# Altium PCB STM32_F407.PcbDoc (part 1 of 2)
Units mil, origin at the board's own origin, x right, y up, seen from the top; angles counter-clockwise.
Board outline 2935.42 x 3745.42 mil, 2 copper layers (TopLayer, BottomLayer); 75 components, 133 nets, 531 pads, 175 vias.
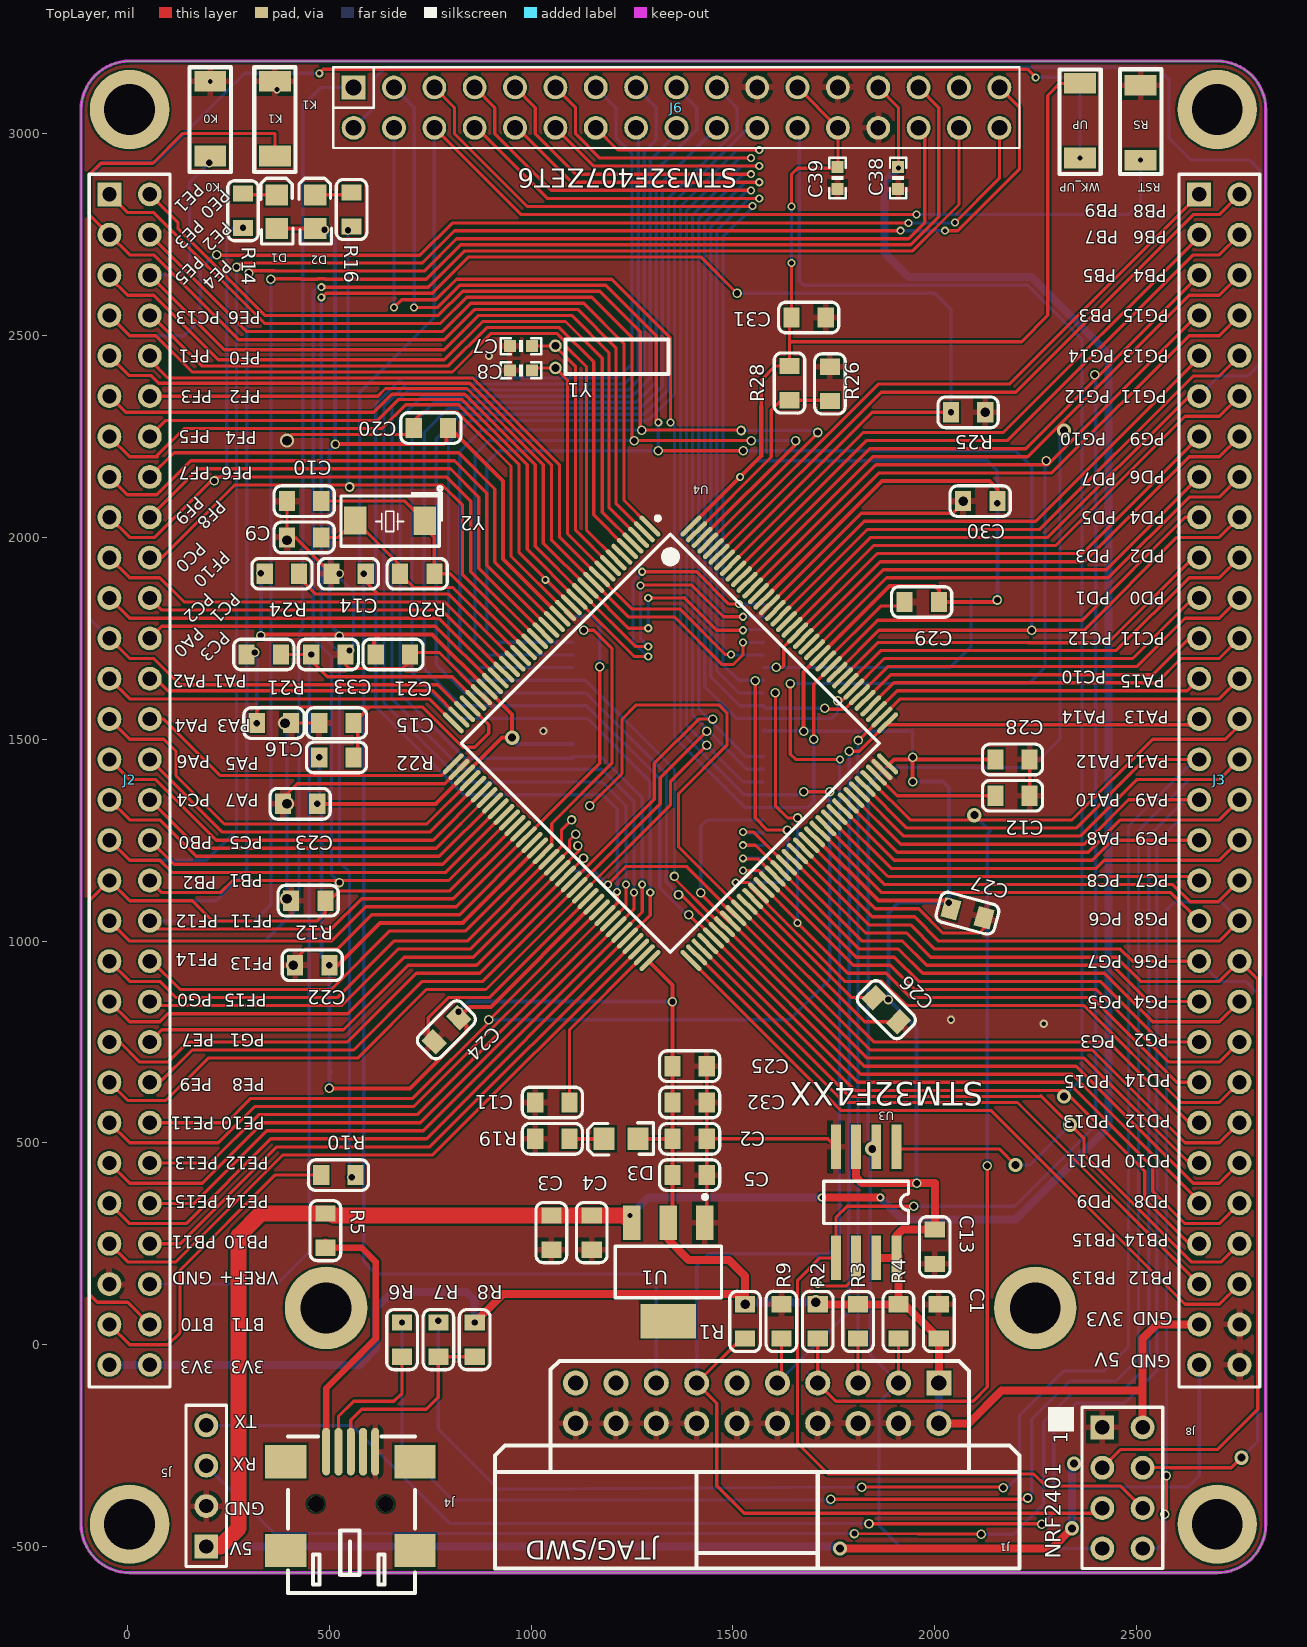
[diagram p0: TopLayer view]
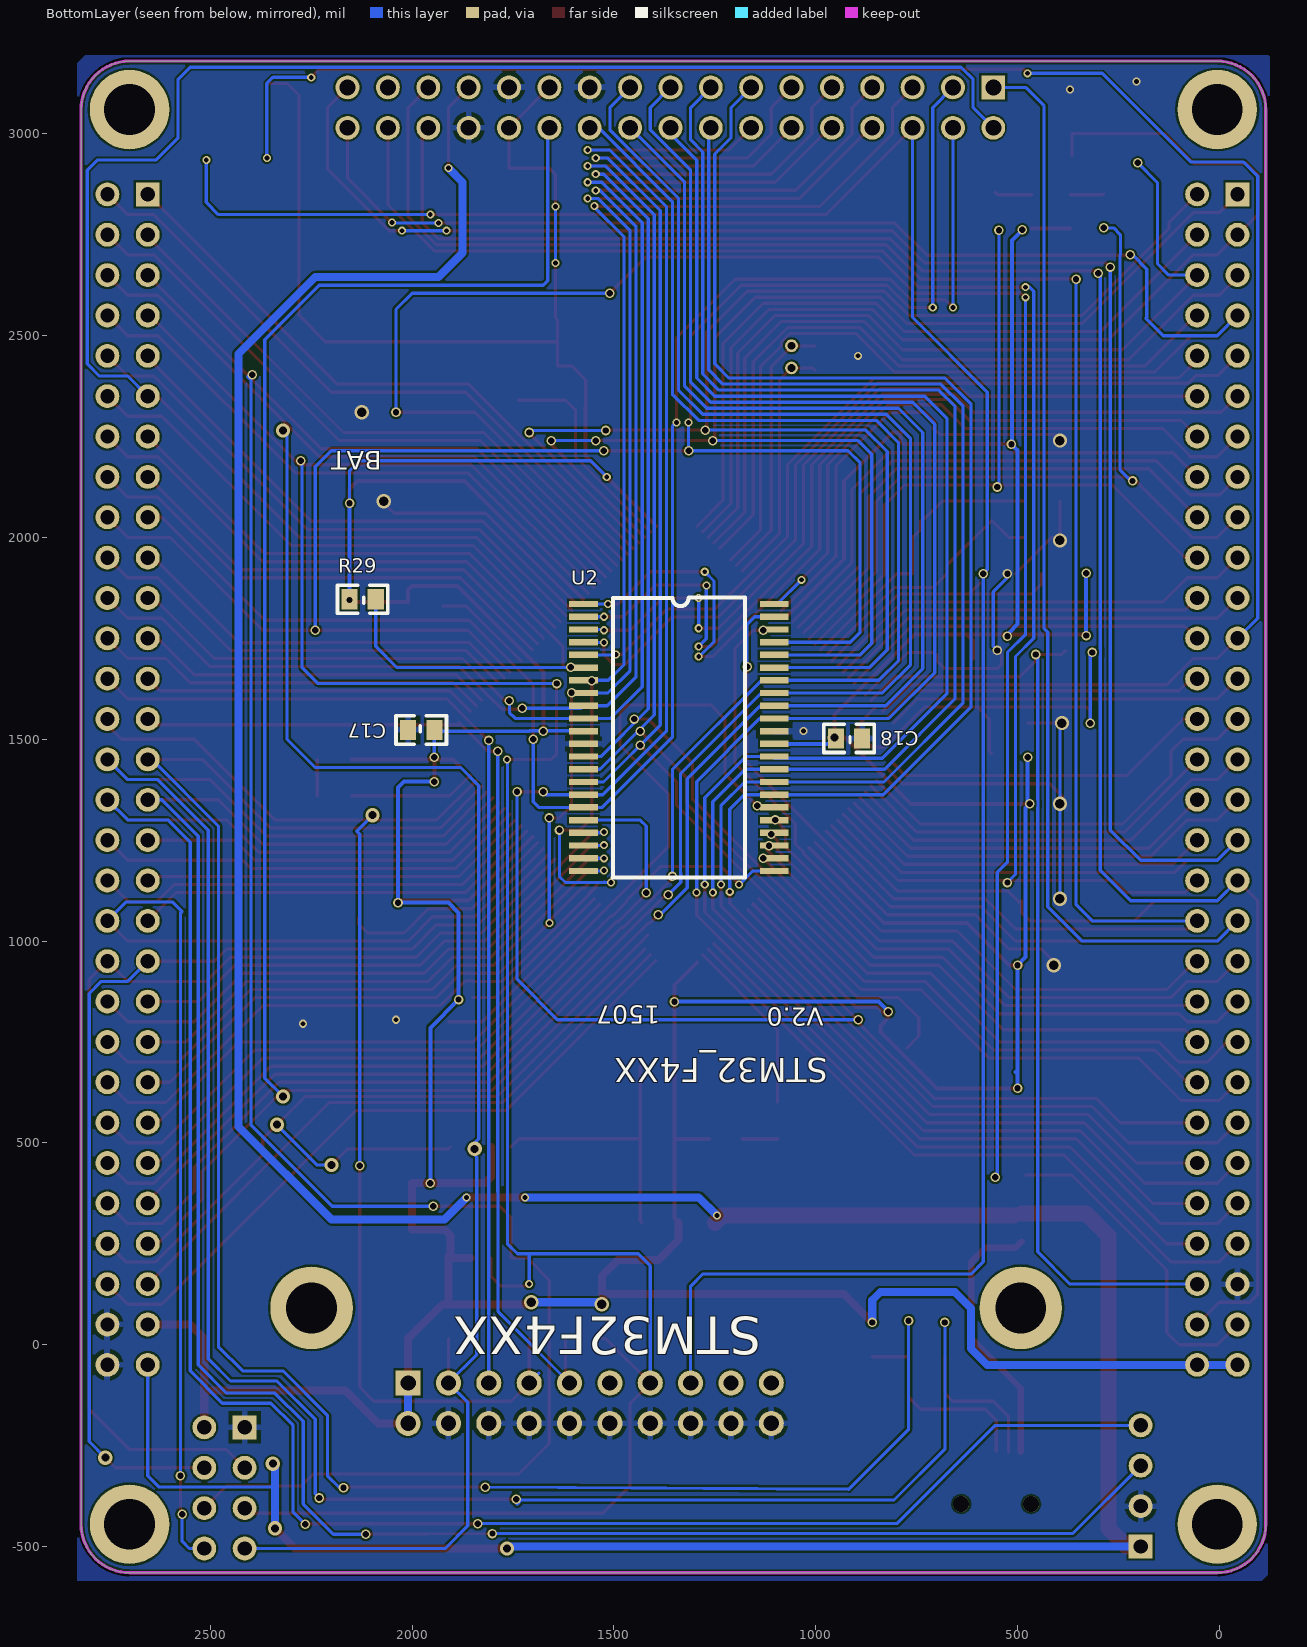
[diagram p1: BottomLayer view, seen from below]
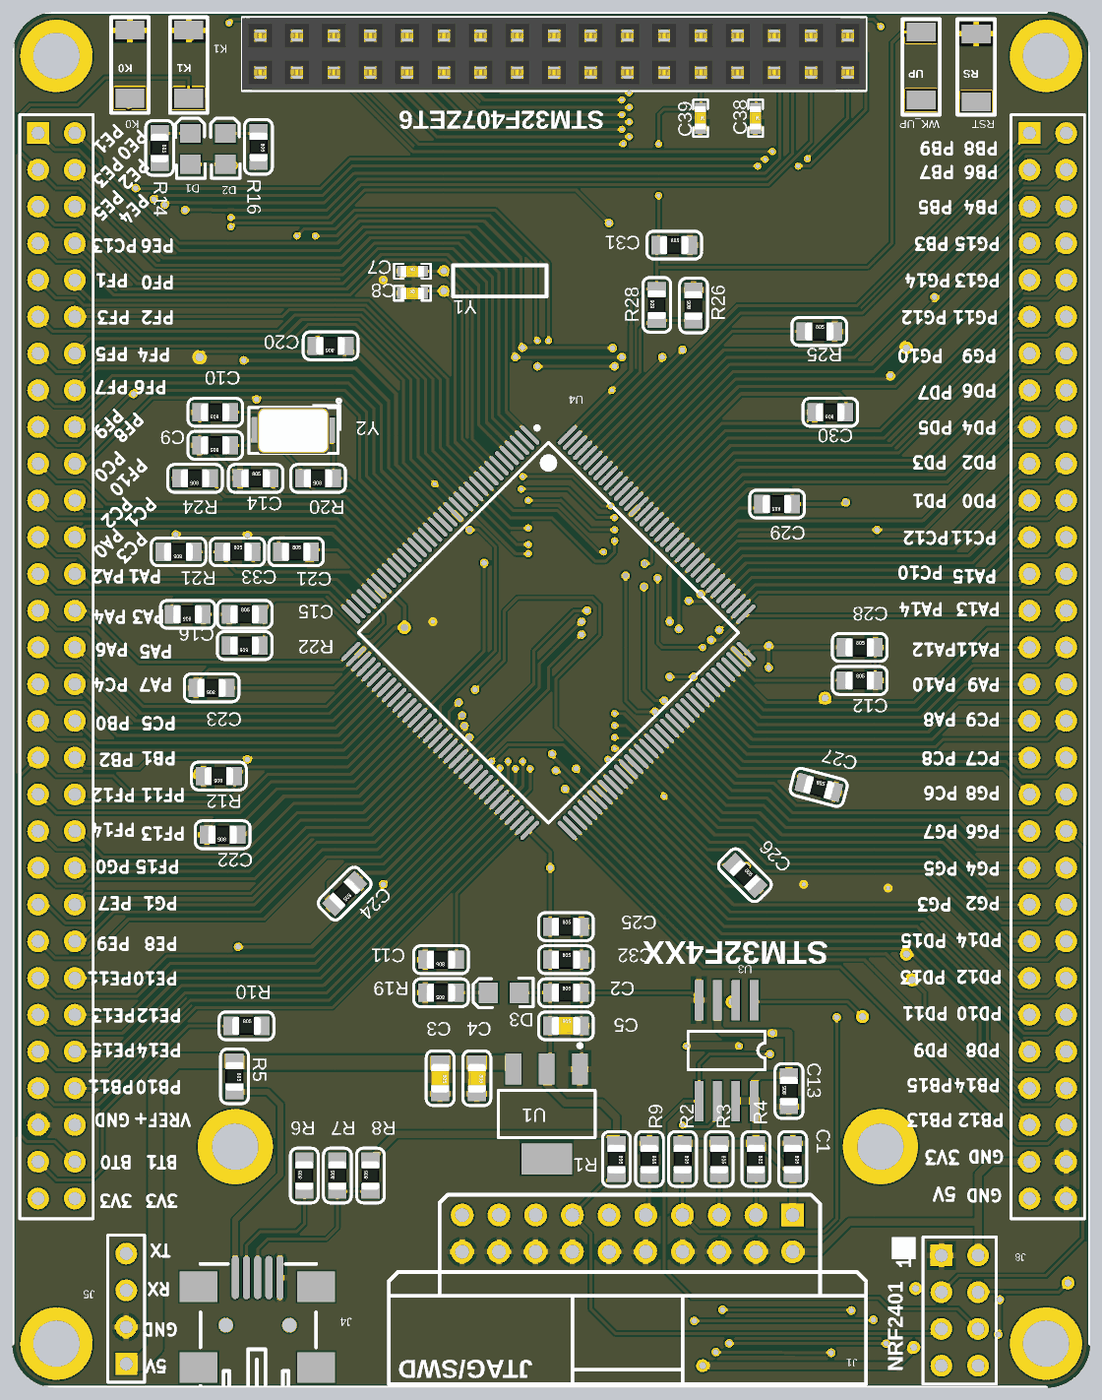
[diagram p3: 3D render of the assembled board from above, using the file's embedded part models]

## Layer stack, top to bottom
TopSolder: solder mask 0.4, Solder Resist, Dk 3.5
TopLayer: signal copper 1.4
Dielectric1: core 12.6, FR-4, Dk 4.8
BottomLayer: signal copper 1.4
BottomSolder: solder mask 0.4, Solder Resist, Dk 3.5

## Board outline
2820.21,3060 2820.21,-445 cw(c2700,-445) 2700,-565.21 5,-565.21 cw(c5,-445) -115.21,-445 -115.21,3060 cw(c5,3060) 5,3180.21 2700,3180.21 cw(c2700,3060)

## Design rules (kind name [scope] priority, off if disabled: settings)
Clearance [All] p1: gap=5
ComponentClearance [All] p1: gap=1 collisioncheckmode=3 verticalgap=0 showdistances=FALSE
FabricationTestPointUsage TestPointUsage [All] p1: valid=0 allowmultiple=FALSE
FabricationTestpoint Testpoint [(IsPad And (OnTopLayer Or OnBottomLayer))] p1: side=3 testpointundercomponent=TRUE minsize=40 maxsize=100 preferedsize=60 minholesize=20 maxholesize=40 preferedholesize=32 testpointgrid=1 allowsidetop=TRUE allowsidebottom=TRUE usegrid=TRUE gridtolerance=0.01
PlaneClearance [All] p1: clearance=10
PolygonConnect PolygonConnect_1 [All vs (InPadClass('All Pads'))] p1: connectstyle=Relief reliefconductorwidth=15 reliefentries=4 polygonreliefangle="90 Angle" airgapwidth=10
PolygonConnect [All] p2: connectstyle=Direct reliefconductorwidth=10 reliefentries=4 polygonreliefangle="90 Angle" airgapwidth=10
RoutingVias [All] p1: holewidth=12 width=20 viastyle="Through Hole" minholewidth=12 minwidth=20 maxholewidth=24 maxwidth=40
SilkToSolderMaskClearance SilkscreenOverComponentPads [IsPad] p1: minsilkscreentomaskgap=10 clearancetoexposedcopper=TRUE
SolderMaskExpansion [All] p1: expansion=2
Width [All] p1: maxlimit=40 minlimit=8 preferedwidth=8 minimp=50.000000 maximp=50.000000 favimp=50.000000
25 further rules are at their usual default settings.

## Components (designator, comment, footprint, x,y, rotation, side; value= is the part's Value field where it differs from the comment)
C1 "104" RC0603#1 2010,100 r270 top
C2 "104" RC0603#1 1350,510 r0 top
C3 "106" 0805C 1050,320 r270 top
C4 "104" 0805C 1150,320 r270 top
C5 "106" 0805C 1350,420 r0 top
C7 "12pF" 0603C 975,2475 r0 top
C8 "12pF" 0603C 975,2415 r0 top
C9 "22pF" RC0603#1 480,2000 r180 top
C10 "22pF" RC0603#1 480,2090 r180 top
C11 "225" RC0805 1095,600 r180 top
C12 "225" RC0805 2150,1360 r0 top
C13 "104" RC0603#1 2000,200 r90 top
C14 "104" RC0603#1 505,1910 r0 top
C15 "104" RC0603#1 475,1540 r0 top
C16 "106" RC0805 405,1540 r180 top
C17 "104" RC0603#2 1950,1520 r0 bottom
C18 "104" RC0603#2 945,1505 r180 bottom
C20 "104" RC0603#1 794,2271 r180 top
C21 "104" RC0603#1 615,1710 r0 top
C22 "104" RC0603#1 500,940 r180 top
C23 "104" RC0603#1 470,1340 r180 top
C24 "104" RC0603#1 820,810 r225 top
C25 "104" RC0603#1 1350,690 r0 top
C26 "104" RC0603#1 1850,860 r315 top
C27 "104" RC0603#1 2040,1080 r345 top
C28 "104" RC0603#1 2150,1450 r0 top
C29 "104" RC0603#1 2010,1840 r180 top
C30 "104" RC0603#1 2155,2090 r180 top
C31 "104" RC0603#1 1645,2545 r0 top
C32 "106" RC0805 1350,600 r0 top
C33 "104" RC0603#1 455,1710 r0 top
C38 "104" 0603C 1910,2890 r270 top
C39 "104" 0603C 1760,2890 r270 top
D1 "LED" LED0805 370,2765 r270 top
D2 "LED" LED0805 465,2765 r270 top
D3 "LED" LED0805 1265,510 r0 top
J1 "ARM_JTAG" JTAG20P 2010,-95 r180 top
J2 "IO_30X2" IDE2X30 -45,2850 r270 top
J3 "IO_30X2" IDE2X30 2655,2850 r270 top
J4 "USB" MINUSB 492,-265 r270 top
J5 "ISP_COM" HDR1X4 195,-500 r90 top
J6 "TFT_LCD" IDC34-Z 560,3015 r0 top
J8 "NRF2401" DIP2X4-2.54 2420,-205 r270 top (schematic designator U2)
K0 "Jumper" key 205,3130 r270 top
K1 "Jumper" key 365,3130 r270 top
R1 "10K" RC0603#1 1530,100 r270 top
R2 "10K" RC0603#1 1710,100 r270 top
R3 "10K" RC0603#1 1810,100 r270 top
R4 "10K" RC0603#1 1910,100 r270 top
R5 "500mA" RC0805 490,325 r270 top
R6 "22" RC0603#1 680,-30 r90 top
R7 "22" RC0603#1 770,-30 r90 top
R8 "1.5K" RC0603#1 860,-30 r90 top
R9 "10K" RC0603#1 1620,100 r270 top
R10 "510R" RC0603#1 480,420 r0 top
R12 "10K" RC0603#1 490,1100 r180 top
R14 "510R" RC0603#1 286,2852 r270 top
R16 "510R" RC0603#1 555,2855 r270 top
R19 "510R" RC0603#1 1095,510 r180 top
R20 "1M" RC0603#1 760,1910 r180 top
R21 "0R" RC0603#1 380,1710 r180 top
R22 "0R" RC0603#1 560,1455 r180 top
R24 "10K" RC0603#1 425,1910 r180 top
R25 "10K" RC0603#1 2040,2310 r0 top
R26 "NC" RC0603#1 1740,2338 r90 top
R28 "0R" RC0603#1 1640,2340 r90 top
R29 "10K" RC0603#2 2150,1850 r180 bottom
RST "Key" key 2510,2934.96 r90 top
U1 "AMS1117-3.3V" SOT223 1340,180 r180 top
U2 "IS62WV51216BLL-55TLI" TSOP44 1575,1835 r180 bottom
U3 "W25Q16" SOIC8P 1905,470 r180 top
U4 "STM32F407ZET6" LQFP144N 1345,1490 r315 top
WK_UP "Jumper" key 2360,3125 r270 top
Y1 "32.768k" XTAL_2X6 1060,2445 r0 top
Y2 "8MHz" X5032 650,2040 r180 top

## Footprints (in the part's own frame and the unit in brackets; to place one, negate y for a bottom-side part, rotate by r counter-clockwise, add the part's x,y. Pads: shape width x height; smd on the part's side, far side on the other; paste and mask are expansions set on the pad)
0603C [mil]
  rect 30x30 smd: 1(-27.5,-0.94) 2(27,-1)
  silkscreen extent -50,-21 50,19, body extent -32,-17 30,14, height 12
0805C [mil]
  rect 40x50 smd: 1(0,0) 2(85,0)
  silkscreen extent -32,-38 117,38, body extent 3,-25 82,25, height 30
DIP2X4-2.54 [mm]
  rect 1.5x1.5 hole 0.9: 1(0,-0.127)
  round 1.5 hole 0.9: 2(0,2.413) 3(2.54,-0.127) 4(2.54,2.413) 5(5.08,-0.127) 6(5.08,2.413) 7(7.62,-0.127) 8(7.62,2.413)
  silkscreen extent -1.27,-1.4 8.89,3.68
HDR1X4 [mm] "Connector; Header; 4 Position"
  rect 1.5x1.5 hole 0.9: 1(0,0)
  round 1.5 hole 0.9: 2(2.54,0) 3(5.08,0) 4(7.62,0)
  silkscreen extent -1.27,-1.27 8.89,1.27
IDC34-Z [mm]
  rect 1.5x1.5 hole 1: 1(0,2.54)
  round 1.5 hole 1: 2(0,0) 3(2.54,2.54) 4(2.54,0) 5(5.08,2.54) 6(5.08,0) 7(7.62,2.54) 8(7.62,0) 9(10.16,2.54) 10(10.16,0) 11(12.7,2.54) 12(12.7,0) 13(15.24,2.54) 14(15.24,0) 15(17.78,2.54) 16(17.78,0) 17(20.32,2.54) 18(20.32,0) 19(22.86,2.54) 20(22.86,0) 21(25.4,2.54) 22(25.4,0) 23(27.94,2.54) 24(27.94,0) 25(30.48,2.54) 26(30.48,0) 27(33.02,2.54) 28(33.02,0) 29(35.56,2.54) 30(35.56,0) 31(38.1,2.54) 32(38.1,0) 33(40.64,2.54) 34(40.64,0)
  silkscreen extent -1.27,-1.27 41.91,3.81, body extent -1.27,-1.23 41.91,3.77, height 8.5
IDE2X30 [mm]
  rect 1.5x1.5 hole 0.9: 1(0,0)
  round 1.5 hole 0.9: 2(0,2.54) 3(2.54,0) 4(2.54,2.54) 5(5.08,0) 6(5.08,2.54) 7(7.62,0) 8(7.62,2.54) 9(10.16,0) 10(10.16,2.54) 11(12.7,0) 12(12.7,2.54) 13(15.24,0) 14(15.24,2.54) 15(17.78,0) 16(17.78,2.54) 17(20.32,0) 18(20.32,2.54) 19(22.86,0) 20(22.86,2.54) 21(25.4,0) 22(25.4,2.54) 23(27.94,0) 24(27.94,2.54) 25(30.48,0) 26(30.48,2.54) 27(33.02,0) 28(33.02,2.54) 29(35.56,0) 30(35.56,2.54) 31(38.1,0) 32(38.1,2.54) 33(40.64,0) 34(40.64,2.54) 35(43.18,0) 36(43.18,2.54) 37(45.72,0) 38(45.72,2.54) 39(48.26,0) 40(48.26,2.54) 41(50.8,0) 42(50.8,2.54) 43(53.34,0) 44(53.34,2.54) 45(55.88,0) 46(55.88,2.54) 47(58.42,0) 48(58.42,2.54) 49(60.96,0) 50(60.96,2.54) 51(63.5,0) 52(63.5,2.54) 53(66.04,0) 54(66.04,2.54) 55(68.58,0) 56(68.58,2.54) 57(71.12,0) 58(71.12,2.54) 59(73.66,0) 60(73.66,2.54)
  silkscreen extent -1.27,-1.27 75.06,3.81
JTAG20P [mil]
  rect 62x62 hole 38: 1(0,0)
  round 62 hole 38: 2(0,100) 3(100,0) 4(100,100) 5(200,0) 6(200,100) 7(300,0) 8(300,100) 9(400,0) 10(400,100) 11(500,0) 12(500,100) 13(600,0) 14(600,100) 15(700,0) 16(700,100) 17(800,0) 18(800,100) 19(900,0) 20(900,100)
  silkscreen extent -200,-55 1100,460
key [mm]
  rect 1.3x2 smd paste+0 mask+0.2: 1(0,0) 2(4.7,0)
  silkscreen extent -0.89,-1.3 5.72,1.3
LED0805 [mil]
  rect 52x56 smd: 1(0,0) 2(-84,0)
  silkscreen extent -125,-40 38,40
LQFP144N [mm]
  oval 1.75x0.297 smd: 1(-10.575,8.75) 2(-10.575,8.25) 3(-10.575,7.75) 4(-10.575,7.25) 5(-10.575,6.75) 6(-10.575,6.25) 7(-10.575,5.75) 8(-10.575,5.25) 9(-10.575,4.75) 10(-10.575,4.25) 11(-10.575,3.75) 12(-10.575,3.25) 13(-10.575,2.75) 14(-10.575,2.25) 15(-10.575,1.75) 16(-10.575,1.25) 17(-10.575,0.75) 18(-10.575,0.25) 19(-10.575,-0.25) 20(-10.575,-0.75) 21(-10.575,-1.25) 22(-10.575,-1.75) 23(-10.575,-2.25) 24(-10.575,-2.75) 25(-10.575,-3.25) 26(-10.575,-3.75) 27(-10.575,-4.25) 28(-10.575,-4.75) 29(-10.575,-5.25) 30(-10.575,-5.75) 31(-10.575,-6.25) 32(-10.575,-6.75) 33(-10.575,-7.25) 34(-10.575,-7.75) 35(-10.575,-8.25) 36(-10.575,-8.75) 73(10.575,-8.75) 74(10.575,-8.25) 75(10.575,-7.75) 76(10.575,-7.25) 77(10.575,-6.75) 78(10.575,-6.25) 79(10.575,-5.75) 80(10.575,-5.25) 81(10.575,-4.75) 82(10.575,-4.25) 83(10.575,-3.75) 84(10.575,-3.25) 85(10.575,-2.75) 86(10.575,-2.25) 87(10.575,-1.75) 88(10.575,-1.25) 89(10.575,-0.75) 90(10.575,-0.25) 91(10.575,0.25) 92(10.575,0.75) 93(10.575,1.25) 94(10.575,1.75) 95(10.575,2.25) 96(10.575,2.75) 97(10.575,3.25) 98(10.575,3.75) 99(10.575,4.25) 100(10.575,4.75) 101(10.575,5.25) 102(10.575,5.75) 103(10.575,6.25) 104(10.575,6.75) 105(10.575,7.25) 106(10.575,7.75) 107(10.575,8.25) 108(10.575,8.75)
  oval 0.297x1.75 smd: 37(-8.75,-10.575) 38(-8.25,-10.575) 39(-7.75,-10.575) 40(-7.25,-10.575) 41(-6.75,-10.575) 42(-6.25,-10.575) 43(-5.75,-10.575) 44(-5.25,-10.575) 45(-4.75,-10.575) 46(-4.25,-10.575) 47(-3.75,-10.575) 48(-3.25,-10.575) 49(-2.75,-10.575) 50(-2.25,-10.575) 51(-1.75,-10.575) 52(-1.25,-10.575) 53(-0.75,-10.575) 54(-0.25,-10.575) 55(0.25,-10.575) 56(0.75,-10.575) 57(1.25,-10.575) 58(1.75,-10.575) 59(2.25,-10.575) 60(2.75,-10.575) 61(3.25,-10.575) 62(3.75,-10.575) 63(4.25,-10.575) 64(4.75,-10.575) 65(5.25,-10.575) 66(5.75,-10.575) 67(6.25,-10.575) 68(6.75,-10.575) 69(7.25,-10.575) 70(7.75,-10.575) 71(8.25,-10.575) 72(8.75,-10.575) 109(8.75,10.575) 110(8.25,10.575) 111(7.75,10.575) 112(7.25,10.575) 113(6.75,10.575) 114(6.25,10.575) 115(5.75,10.575) 116(5.25,10.575) 117(4.75,10.575) 118(4.25,10.575) 119(3.75,10.575) 120(3.25,10.575) 121(2.75,10.575) 122(2.25,10.575) 123(1.75,10.575) 124(1.25,10.575) 125(0.75,10.575) 126(0.25,10.575) 127(-0.25,10.575) 128(-0.75,10.575) 129(-1.25,10.575) 130(-1.75,10.575) 131(-2.25,10.575) 132(-2.75,10.575) 133(-3.25,10.575) 134(-3.75,10.575) 135(-4.25,10.575) 136(-4.75,10.575) 137(-5.25,10.575) 138(-5.75,10.575) 139(-6.25,10.575) 140(-6.75,10.575) 141(-7.25,10.575) 142(-7.75,10.575) 143(-8.25,10.575) 144(-8.75,10.575)
  silkscreen extent -10.7,-9.3 9.3,9.57
MINUSB [mm]
  oval 3x0.5 smd: 1(0,0) 2(0.009,0.775) 3(0,1.549) 4(0.009,2.324) 5(0.009,3.086)
  rect 2.1x2.6 smd: ""(0.635,5.588) ""(0.635,-2.54) ""(6.223,-2.54) ""(6.223,5.588)
  round 1 hole 1: ""(3.299,3.749) ""(3.299,-0.651)
  silkscreen extent -0.94,-2.41 8.89,5.59
RC0603#1 [mil]
  rect 40x50 smd: 1(0,0) 2(85,0)
  silkscreen extent -32,-38 117,38, body extent 3,-25 82,25, height 30
RC0603#2 [mil]
  rect 40x50 smd: 1(60,-3) 2(-5,-3)
  silkscreen extent -35,-38 90,32
RC0805 [mil]
  rect 40x50 smd: 1(0,0) 2(85,0)
  silkscreen extent -32,-38 117,38, body extent 3,-25 82,25, height 30
SOIC8P [mil]
  rect 24x110 smd: 1(0,-20) 2(50,-20) 3(100,-20) 4(150,-20) 5(150,255) 6(100,255) 7(50,255) 8(0,255)
  silkscreen extent -30,65 180,170
SOT223 [mm] "SOT-223/SC-73; 4 Leads; Body 6.7 x 7.3 mm, inc. leads (LxW max)"
  rect 1.1x2.15 smd: 1(-2.3,-3.1) 2(0,-3.1) 3(2.3,-3.1)
  rect 3.5x2.15 smd: 4(0,3.1)
  silkscreen extent -3.35,-4.85 3.35,1.63
TSOP44 [mm]
  rect 1.8x0.4 smd: 1(-0.009,0.001) 2(-0.009,-0.799) 3(-0.009,-1.599) 4(-0.009,-2.399) 5(-0.009,-3.199) 6(-0.009,-3.999) 7(-0.009,-4.799) 8(-0.009,-5.599) 9(-0.009,-6.399) 10(-0.009,-7.199) 11(-0.009,-7.999) 12(-0.009,-8.799) 13(-0.009,-9.599) 14(-0.009,-10.399) 15(-0.009,-11.199) 16(-0.009,-11.999) 17(-0.009,-12.799) 18(-0.009,-13.599) 19(-0.009,-14.399) 20(-0.009,-15.199) 21(-0.009,-15.999) 22(-0.009,-16.799) 23(11.991,-16.799) 24(11.991,-15.999) 25(11.991,-15.199) 26(11.991,-14.399) 27(11.991,-13.599) 28(11.991,-12.799) 29(11.991,-11.999) 30(11.991,-11.199) 31(11.991,-10.399) 32(11.991,-9.599) 33(11.991,-8.799) 34(11.991,-7.999) 35(11.991,-7.199) 36(11.991,-6.399) 37(11.991,-5.599) 38(11.991,-4.799) 39(11.991,-3.999) 40(11.991,-3.199) 41(11.991,-2.399) 42(11.991,-1.599) 43(11.991,-0.799) 44(11.991,0.001)
  silkscreen extent 1.83,-17.2 10.16,0.4
X5032 [mil]
  rect 55.12x70.24 smd: 1(-86,-1)
  rect 55.12x70 smd: 2(86,-2)
  silkscreen extent -131,-86 121,62, body extent -98,-63 98,63, height 39
XTAL_2X6 [mm]
  round 0.8 hole 0.5: 1(0,-0.635) 2(0,0.762)
  silkscreen extent 0.64,-1.02 7.11,1.14, body extent 0.91,-0.94 6.91,1.05, height 2

## Part data
C1 C2 C17 C18 C38 C39: library part Cap, "Capacitor"
C3 C4 C5: library part 0805C, "Capacitor"
C7 C8 C9 C10 C11 C12 C14 C15 C16 C20 C21 C22 C23 C24 C25 C26 C27 C28 C29 C30 C31 C33: library part CAP, "Capcitor"
C13: library part CAP
C32: library part "CAPACITOR POL", "Capacitor"
J1: library part JTAG, "JTAG"
J2 J3: library part "Header 30X2", "Header, 30-Pin, Dual row"
J4: library part usb
J5: library part "Header 4", "Header, 4-Pin"
J8: library part "Header 4X2", "Header, 4-Pin, Dual row"
K0 K1 WK_UP: "Jumper Wire"
R1 R2 R3 R4 R5 R6 R7 R8 R14 R16 R19: library part RES
R9 R10 R12 R21 R22 R24 R25 R26 R28 R29: library part Res2, "Resistor"
R20: library part Res1, "Resistor"
RST: library part Jumper, "Jumper Wire"
U1: library part 11
U3: library part W25X16
Y1: library part CRYSTAL, "Crystal 8MHz PLUG"
Y2: library part XTAL, "Crystal Oscillator"

## Free pads (board coordinates)
  round 196.85 hole 125.98: ""(5,-445) ""(5,3060) ""(2700,-445) ""(2700,3060)
  round 204.72 hole 125.98: ""(492,91) ""(2249,91)

## Via types
v1: diameter 23.62, hole 15.75, TopLayer to BottomLayer, 92 vias
v2: diameter 20, hole 12, TopLayer to BottomLayer, 62 vias
v3: diameter 35.43, hole 19.68, TopLayer to BottomLayer, 11 vias
v4: diameter 35.43, hole 23.62, TopLayer to BottomLayer, 10 vias

## Nets (pads, with @x,y where several pads share a name; then routed paths per layer and width w, separated by ;. In a path a pad name is that pad's centre, name@x,y a point inside that pad or via, vN(x,y) a via of type N, cw(c..) or ccw(c..) an arc to the next point about the centre after c; other vN are vias at no path point)
3V3: C1.2 C2.1 C5.1 C13.2 C17.2 C18.2 C20.1 C21.1 C22.1 C23.1 C24.1 C25.1 C26.1 C27.1 C28.1 C29.1 C30.1 C31.1 C32.1 C39.1 D1.1 D2.1 D3.1 J1.1 J1.2 J2.59 J2.60 J3.57 J6.23 J6.26 J8.2 R1.1 R2.1 R3.1 R4.1 R8.2 R22.2 R24.2 R28.2 R29.2 U1.2 U2.11 U2.33 U3.3 U3.7 U3.8 U4.17 U4.30 U4.39 U4.52 U4.62 U4.72 U4.84 U4.95 U4.108 U4.121 U4.131 U4.144 WK_UP.1 | length 19846.7
  TopLayer w8: U4.84@1548.92,1105.13 1794.05,860 C26.1@1850,860 ; 1570,2325 1570,2390 1605,2425 R28.2@1640,2425 1640,2480 ; v2(1645,2680) C31.1@1645,2545 1640,2540 1640,2480 ; v2(1645,2820) 1645,2900 1660,2915 1760,2915 J6.26@1760,3015 J6.23@1660,3115 ; WK_UP.1@2360,3125 2310,3125 2280,3095 2280,2550 2215,2485 1645,2485 1640,2480
  TopLayer w10: v1(330,1757) 333,1760 625,1760 ; D1.1@370,2765 D2.1@465,2765 ; v1(470,1340) 763.5,1340 U4.39@834.85,1411.36 927.5,1504 v3(953,1504) ; C22.1@490,940 v1(500,940) 520,940 625,1045 830.4,1045 U4.52@1015.81,1230.4 ; v1(500,635) 700,635 840,775 840,790 C24.1@820,810 846.81,836.81 900.6,836.81 U4.62@1155,1091.21 ; v1(515,2231) 784,2231 790,2237 790,2260 810,2260 930,2140 930,1946.76 U4.17@1071.48,1805.27 ; C21.1@610,1700 610,1745 625,1760 ; v3@953,1515 953,1561.85 U4.30@890.53,1624.32 754.85,1760 625,1760 ; D3.1@1265,510 C2.1@1350,510 ; U4.72@1294.19,947.01 1350,891.21 C25.1@1350,690 C32.1@1350,600 C2.1@1350,510 ; U1.2@1340,302.05 1350,312.05 C5.1@1350,420 C2.1@1350,510 ; U4.144@1395.81,2027.99 v2(1517.82,2150) 1570,2202.18 1570,2325 ; U4.131@1576.76,1847.03 1869.73,2140 2135,2140 2155,2120 C30.1@2155,2090 ; v1(1675,1520) 1675,1666.89 U4.121@1715.95,1707.84 1888.11,1880 2000,1880 2010,1870 C29.1@2010,1840 2150,1840 v1(2155,1845) ; U4.95@1702.03,1258.24 1860.27,1100 C27.1@2040,1100 ; U4.108@1882.99,1434.19 1898.79,1450 v1@1945,1450 ; U3.8@1910,220 1910,275 ; v1(1945,1395) v1@1945,1450 ; v1(1945,1455) v1@1945,1450 ; C28.1@2150,1450 v1@1945,1450
  TopLayer w20: v1(860,55) 930,125 1530,125 1530,170 1490,210 1390,210 1340,260 U1.2@1340,302.05 ; R2.1@1710,100 R3.1@1810,100 R4.1@1910,100 ; U3.3@1805,490 1805,415 1820,400 2000,400 C13.2@2000,285 1920,285 1910,275 1905,270 U3.8@1905,215 U3.7@1855,215 ; U3.8@1910,220 R4.1@1910,100 ; J1.2@2010,-195 2084,-195 2165,-114 2515,-114 ; J1.1@2010,-95 C1.2@2010,15 1925,100 R4.1@1910,100 ; J8.2@2515,-205 2515,-114 ; J3.57@2655,50 2550,50 2515,15 2515,-114
  BottomLayer w8: v2(1517.82,2150) 1557.82,2190 2130,2190 2155,2165 v1(2155,2085) ; U2.11@1575.35,1520.06 1576.1,1520.81 1708.62,1520.81 1709.37,1520.06 1942.06,1520.06 C17.2@1945,1523 v1(1945,1455) ; v2(1645,2680) v2(1645,2820)
  BottomLayer w10: v1(330,1757) v1(330,1911) ; v1(475,1455) 475,1345 v1(470,1340) 480,1330 480,960 v1(500,940) 500,670 ; v1(488,2762) 514,2736 514,2231 v1(515,2231) 500,2216 500,1785 v1@520,1765 ; v1(500,635) 500,670 ; 505,675 500,670 ; v1(820,825) 845,850 v1(1350,850) ; C18.2@950,1502 963.43,1488.57 U2.33@1102.91,1488.57 ; U2.11@1575.35,1520.06 U2.11@1578.01,1522.72 ; v1(1945,1395) 2020,1395 2035,1380 v1(2035,1095) 1910,1095 1885,1070 v1(1885,855) 1955,785 v1(1955,400) ; v1(2155,1845) v1(2155,2085)
  BottomLayer w20: J2.59@-45,-50 J2.60@55,-50 575,-50 615,-10 615,90 655,130 840,130 860,110 v1(860,55) ; v4(1530,100) 1535,105 v4(1705,105) ; J1.2@2010,-195 J1.1@2010,-95
  other v1: 525,1755
5V: C3.1 C4.1 C38.1 J3.59 J5.1 J6.27 R5.1 U1.3 | length 9089.8
  TopLayer w8: J6.27@1860,3115 1910,3065 1910,2920 C38.1@1900,2910
  TopLayer w20: v2(1720,365) v2(1865,365) ; v3(1765,-505) 2290,-505 v3(2340,-455) v3@2335,-455 ; J3.59@2650,-55 J3.59@2655,-50
  TopLayer w40: J5.1@195,-500 230,-500 275,-455 275,270 330,325 R5.1@490,325 ; R5.1@510,320 C3.1@1050,320 C4.1@1150,320 1231.5,320 U1.3@1249.45,302.05
  BottomLayer w8: 2340,-354 2341,-353 2627,-353 2655,-325 J3.59@2655,-50
  BottomLayer w20: J5.1@195,-500 1760,-500 v3(1765,-505) ; v2(1245,320) 1290,365 v2(1720,365) ; v2(1865,365) 1920,310 2200,310 2430,540 2430,2455 2240,2645 1935,2645 1875,2705 1875,2880 v2(1910,2915) ; v3(2340,-455) 2340,-354 v3@2340,-305
  other v3: 2345,-295
BOOT0: R10.2 R25.1 U4.138 | length 4833.4
  TopLayer w8: v2(480,2595) 481.87,2595 491.87,2605 755,2605 845,2695 1420,2695 v1(1510,2605) ; U4.138@1479.32,1944.47 1844.85,2310 v1(2040,2310)
  BottomLayer w8: v2(480,2595) 480,1760 525,1715 525,1195 550,1170 550,420 v1(555,415) ; v1(1510,2605) 2000,2605 2040,2565 v1(2040,2310)
DCMI_D6: J2.5 U4.4 | length 1877.4
  TopLayer w8: J2.5@-45,2650 -45,2645 0,2600 65,2600 225,2440 785,2440 880,2535 1085,2535 1176,2444 1176,2062.66 U4.4@1252.44,1986.23
DCMI_D7: J2.8 U4.5 | length 1723.6
  TopLayer w8: J2.8@55,2550 58.38,2550 183.38,2425 795,2425 890,2520 1070,2520 1155,2435 1155,2055.82 U4.5@1238.52,1972.31
F_CS: J3.54 U3.1 U4.75 | length 2186.1
  TopLayer w8: U4.75@1423.64,979.85 1788.5,615 2261,615 2263,617 2370,510 2370,470 2635,205 2710,205 J3.54@2755,250 ; U3.1@1905,490 1910,485 2160,485 v3(2200,445)
  BottomLayer w8: v3(2200,445) 2235,445 v3(2335,545)
FSMC_A0: J2.10 U2.5 U4.10 | length 1937.6
  TopLayer w8: J2.10@55,2450 55,2440 100,2395 855,2395 1070,2180 1070,2001.63 U4.10@1168.92,1902.71 1248.63,1823 1368,1823 1481,1710 v2(1495,1710)
  BottomLayer w8: v2(1495,1710) 1495.96,1709.04 U2.5@1575.35,1709.04
FSMC_A1: J2.9 U2.4 U4.11 | length 2086.9
  TopLayer w8: J2.9@-45,2450 4,2401 58.49,2401 77.49,2382 848,2382 1050,2180 1050,1993.79 U4.11@1155,1888.79 1240.79,1803 1355,1803 1473,1685 1500,1685 1525,1710 v2(1525,1740)
  BottomLayer w8: v2(1525,1740) 1574.82,1740 U2.4@1575.35,1740.54
FSMC_A2: J2.12 U2.3 U4.12 | length 1997.7
  TopLayer w8: J2.12@55,2350 620,2350 639,2369 841,2369 1030,2180 1030,1985.95 U4.12@1141.08,1874.87 1240.95,1775 v2(1290,1775) ; v2(1290,1850) 1378,1850 1379,1851 1460,1770 v2(1525,1770)
  BottomLayer w8: v2(1290,1775) v2(1290,1850) ; v2(1525,1770) 1527.03,1772.03 U2.3@1575.35,1772.03
FSMC_A3: J2.11 U2.2 U4.13 | length 2242.1
  TopLayer w8: J2.11@-45,2350 -5,2310 610,2310 655,2355 835,2355 1010,2180 1010,1978.11 U4.13@1127.16,1860.95 1258.11,1730 v2(1290,1730) ; v2@1272,1882 1398,1882 1476.47,1803.53 v2(1525,1803.53)
  BottomLayer w8: v2(1271,1881) 1271,1749 v2(1290,1730) ; v2(1525,1803.53) U2.2@1575.35,1803.53
FSMC_A4: J2.14 U2.1 U4.14 | length 2229.7
  TopLayer w8: J2.14@55,2250 95,2290 620,2290 672,2342 828,2342 990,2180 990,1970.27 U4.14@1113.24,1847.03 1255.27,1705 v2(1290,1705) ; v2(1275,1915) 1410,1915 1490,1835 v2(1515,1835)
  BottomLayer w8: v2(1275,1915) 1252,1892 1252,1741.13 1288.13,1705 v2(1290,1705) ; v2(1515,1835) U2.1@1575.35,1835.02
FSMC_A5: J2.13 U2.44 U4.15 | length 1646.4
  TopLayer w8: J2.13@-45,2250 5,2200 74,2200 74,2204 140,2270 630,2270 689,2329 821,2329 970,2180 970,1962.44 U4.15@1099.32,1833.11
  BottomLayer w8: v2(1035,1895) 1094.98,1835.02 U2.44@1102.91,1835.02
FSMC_A6: J2.37 J6.1 U2.43 U4.50 | length 4496.3
  TopLayer w8: J2.37@-45,1050 5,1000 505,1000 590,1085 814.73,1085 U4.50@987.97,1258.24 1170,1440.27 v1(1170,1680)
  BottomLayer w8: J2.37@-45,1050 5,1000 340,1000 425,1085 425,1765 434.19,1774.19 434.19,3069.19 480,3115 J6.1@560,3115 ; U2.43@1102.91,1803.53 1151.47,1803.53 1170,1785 v1(1170,1680)
FSMC_A7: J2.40 U2.42 U4.53 | length 1811.5
  TopLayer w8: J2.40@55,950 60,950 130,880 505,880 650,1025 838.24,1025 U4.53@1029.73,1216.48 1029.73,1219.52 1050.88,1240.67 1050.88,1289.12 1050,1290 1200,1440 1200,1725 1155,1770 v1(1130,1770)
FSMC_A8: J2.39 U2.27 U4.54 | length 1388.6
  TopLayer w8: J2.39@-45,950 5,900 80,900 120,860 520,860 660,1000 841.08,1000 U4.54@1043.65,1202.56 1075,1233.92 1075,1275 v1(1100,1300)
FSMC_A9: J2.42 U2.26 U4.55 | length 1249.2
  TopLayer w8: J2.42@55,850 65,840 530,840 670,980 848.92,980 U4.55@1057.56,1188.65 1095,1226.08 1095,1250 v1(1110,1265)
FSMC_A10: J2.41 U2.25 U4.56 | length 1364
  TopLayer w8: J2.41@-45,850 5,800 80,800 100,820 545,820 685,960 856.76,960 U4.56@1071.48,1174.73 1071.48,1176.32 v1@1120.98,1225.81
  other v1: 1115.81,1236.38
FSMC_A11: J2.44 U2.24 U4.57 | length 1263.1
  TopLayer w8: J2.44@55,750 85,780 535,780 695,940 864.6,940 U4.57@1085.4,1160.81 v1(1129.6,1205)
FSMC_A12: J3.44 U2.22 U4.87 | length 1498.4
  TopLayer w8: v2(1525,1175) 1562.56,1175 U4.87@1590.68,1146.89 1797.56,940 1890,940 1950,880 2400,880 2580,700 2705,700 J3.44@2755,750
  BottomLayer w8: v2(1525,1175) 1526.39,1173.61 U2.22@1575.35,1173.61
FSMC_A13: J3.43 U2.21 U4.88 | length 1377.2
  TopLayer w8: v2(1525,1205) 1525,1203 1562.4,1203 U4.88@1604.6,1160.81 1805.4,960 1900,960 1960,900 2410,900 2560,750 J3.43@2655,750
  BottomLayer w8: v2(1525,1205) 1525.1,1205.1 U2.21@1575.35,1205.1 U2.21@1570.25,1200
FSMC_A14: J3.42 U2.20 U4.89 | length 1484.7
  TopLayer w8: v2(1525,1237.5) 1555.74,1237.5 U4.89@1618.52,1174.73 1813.24,980 1910,980 1970,920 2420,920 2540,800 2705,800 J3.42@2755,850
  BottomLayer w8: v2(1525,1237.5) 1525.5,1237.5 1528,1240 1531.4,1236.6 U2.20@1575.35,1236.6
FSMC_A15: J3.41 U2.19 U4.90 | length 1369.6
  TopLayer w8: v2(1525,1270) 1551.08,1270 U4.90@1632.44,1188.65 ; U4.90@1631.9,1188.1 1820,1000 1920,1000 1980,940 2440,940 2530,850 J3.41@2655,850 J3.41@2645,840
  BottomLayer w8: v2(1525,1270) 1526.91,1268.09 U2.19@1575.35,1268.09
FSMC_A16: J3.49 U2.18 U4.80 | length 1836.5
  TopLayer w8: v1@1420,1117.69 U4.80@1490.74,1046.95 ; U4.80@1493.24,1049.45 1832.69,710 2370,710 2630,450 J3.49@2655,450
  BottomLayer w8: v1(1420,1120) 1420,1285 1434.59,1299.59 U2.18@1575.35,1299.59
FSMC_A17: J3.48 U2.23 U4.81 | length 1989.9
  TopLayer w8: v2(1190,1140) 1235,1185 1384.43,1185 1468.53,1100.9 1468.53,1097 U4.81@1504.66,1060.87 ; U4.81@1507.16,1063.37 1840.53,730 2390,730 2620,500 2705,500 J3.48@2755,550
  BottomLayer w8: U2.23@1102.91,1173.61 1156.39,1173.61 v2(1190,1140)
FSMC_A18: J3.47 U2.28 U4.82 | length 2485.3
  TopLayer w8: v1(1145,1335) 1225,1415 1225,1550 1260,1585 1465,1585 1485,1565 1485,1485 1365,1365 1365,1233.37 U4.82@1521.08,1077.29 1848.37,750 2430,750 2630,550 J3.47@2655,550
FSMC_D0: J3.46 J6.5 U2.7 U4.85 | length 4436.5
  TopLayer w8: J6.5@760,3115 810,3065 810,3000 990,2820 1547.64,2820 v2(1548.64,2821) ; v2(1506.89,1145) 1536.89,1145 U4.85@1562.84,1119.05 ; U4.85@1543.44,1133.44 1776.89,900 1848.99,900 1849.81,900.82 1869.18,900.82 1930,840 2370,840 2610,600 2705,600 J3.46@2755,650 ; v1(1555,1645) 1555,1305 1585,1275 v1(1635,1275)
  BottomLayer w8: v2(1506.89,1145) 1522.5,1145 1523.75,1146.25 1523.75,1145 1620,1145 1635,1160 v1(1635,1275) ; v2(1548.64,2821) 1548.64,2818.64 1475,2745 1475,1685 1513.95,1646.05 U2.7@1575.35,1646.05
FSMC_D1: J3.45 J6.8 U2.8 U4.86 | length 4046
  TopLayer w8: J6.8@860,3015 865,3015 1040,2840 v2(1565,2840) ; U4.86@1564.86,1139.86 U4.86@1574.26,1130.47 ; U4.86@1576.76,1132.97 1659.73,1050 v2(1659.73,1045) 1784.73,920 1880,920 1940,860 2390,860 2600,650 J3.45@2655,650 ; v1(1605,1615) 1605,1335 1635,1305 v1(1660,1305)
  BottomLayer w8: v2(1565,2840) 1540,2840 1460,2760 1460,1670 1515.45,1614.55 U2.8@1575.35,1614.55 ; v2(1659.73,1045) 1660,1045.27 v1(1660,1305)
FSMC_D2: J3.22 J6.7 U2.9 U4.114 | length 3538.7
  TopLayer w8: J6.7@860,3115 910,3065 910,3000 1050,2860 v2(1545,2860) ; v1(1727,1577) 1729.81,1574.19 1777.17,1574.19 U4.114@1813.39,1610.4 1882.98,1680 2500,1680 2620,1800 2705,1800 J3.22@2755,1850
  BottomLayer w8: v2(1545,2860) 1535,2860 1445,2770 1445,1655 1516.95,1583.05 U2.9@1575.35,1583.05 1581.41,1577 v1(1727,1577)
FSMC_D3: J3.21 J6.10 U2.10 U4.115 | length 3385.4
  TopLayer w8: J6.10@960,3015 965,3015 1100,2880 v2(1565,2880) ; v1(1759,1595) 1770.15,1595 U4.115@1799.47,1624.32 1875.15,1700 1880.15,1700 2490,1700 2640,1850 J3.21@2655,1850
  BottomLayer w8: v2(1565,2880) 1530,2880 1430,2780 1430,1630 1508.44,1551.56 U2.10@1575.35,1551.56 1744.56,1551.56 1759,1566 v1(1759,1595)
FSMC_D4: J2.43 J6.9 U2.13 U4.58 | length 4231.8
  TopLayer w8: J2.43@-45,750 -20,750 30,700 100,700 150,750 545,750 715,920 872.44,920 U4.58@1099.32,1146.89 1100.91,1146.89 1305,1350.97 1305,1440 1415,1550 v1(1450,1550) ; J6.9@960,3115 1010,3065 1010,3000 1110,2900 v2(1545,2900)
  BottomLayer w8: v2(1545,2900) 1525,2900 1415,2790 1415,1575 1532.93,1457.07 U2.13@1575.35,1457.07
FSMC_D5: J2.46 J6.12 U2.14 U4.59 | length 4008.7
  TopLayer w8: J2.46@55,650 80,650 160,730 560,730 730,900 880.27,900 U4.59@1113.24,1132.97 1320,1339.73 1320,1405 v1(1435,1520) ; J6.12@1060,3015 1155,2920 v2(1565,2920)
  BottomLayer w8: v2(1565,2920) 1520,2920 1400,2800 1400,1560 1534.43,1425.57 U2.14@1575.35,1425.57
FSMC_D6: J2.45 J6.11 U2.15 U4.60 | length 4230.3
  TopLayer w8: J2.45@-45,650 0,605 95,605 200,710 570,710 740,880 888.11,880 U4.60@1127.16,1119.05 1345,1336.89 1345,1395 v1(1435,1485) ; J6.11@1060,3115 1110,3065 1110,3000 1170,2940 v2(1545,2940)
  BottomLayer w8: v2(1545,2940) 1515,2940 1385,2810 1385,1535 1525.92,1394.08 U2.15@1575.35,1394.08
FSMC_D7: J2.48 J6.14 U2.16 U4.63 | length 5105.7
  TopLayer w8: J2.48@55,550 245,550 305,610 706.63,610 901.63,805 901.63,810 U4.63@1168.92,1077.29 ; J6.14@1160,3015 1215,2960 v2(1565,2960) ; v1(1675,1370) v1(1740,1370)
  BottomLayer w8: v1(895,805) 1640,805 1740,905 v1(1740,1370) ; v2(1565,2960) 1510,2960 1370,2820 1370,1520 1527.42,1362.58 U2.16@1575.35,1362.58 1667.58,1362.58 v1(1675,1370)
FSMC_D8: J2.47 J6.13 U2.29 U4.64 | length 4609.5
  TopLayer w8: J2.47@-45,550 5,500 225,500 315,590 709.47,590 U4.64@1182.84,1063.37 1213,1093.53 v2(1213,1122)
  BottomLayer w8: J6.13@1160,3115 1210,3065 1210,2990 1250,2950 1250,2430 1215,2395 680,2395 615,2330 615,1580 832.42,1362.58 U2.29@1102.91,1362.58 1177.42,1362.58 1213,1327 v2(1213,1122)
FSMC_D9: J2.50 J6.16 U2.30 U4.65 | length 4401.4
  TopLayer w8: J2.50@55,450 205,450 325,570 717.31,570 U4.65@1196.76,1049.45 1235,1087.69 v2(1235,1140)
  BottomLayer w8: v2(1235,1140) 1235,1335 1175.92,1394.08 U2.30@1102.91,1394.08 830.92,1394.08 635,1590 635,2325 690,2380 1230,2380 1265,2415 1265,3010 J6.16@1260,3015
FSMC_D10: J2.49 J6.15 U2.31 U4.66 | length 4699.4
  TopLayer w8: J2.49@-45,450 5,400 185,400 335,550 725.15,550 U4.66@1210.68,1035.53 1255,1079.85 v2(1255,1120)
  BottomLayer w8: v2(1255,1120) 1255,1345 1174.43,1425.57 U2.31@1102.91,1425.57 829.43,1425.57 655,1600 655,2325 695,2365 1240,2365 1280,2405 1280,2955 1310,2985 1310,3065 J6.15@1260,3115
FSMC_D11: J2.52 J6.18 U2.32 U4.67 | length 4505
  TopLayer w8: J2.52@55,350 165,350 345,530 732.98,530 U4.67@1224.6,1021.61 1275,1072.02 v2(1275,1140)
  BottomLayer w8: v2(1275,1140) 1275,1355 1172.93,1457.07 U2.32@1102.91,1457.07 1102.91,1453 835,1453 675,1613 675,2295 730,2350 1250,2350 1295,2395 1295,2935 1360,3000 J6.18@1360,3015
FSMC_D12: J2.51 J6.17 U2.35 U4.68 | length 4765.5
  TopLayer w8: J2.51@-45,350 5,300 145,300 355,510 740.82,510 U4.68@1238.52,1007.69 1295,1064.18 v2(1295,1120)
  BottomLayer w8: v2(1295,1120) 1295,1395 1138.44,1551.56 U2.35@1102.91,1551.56 818.44,1551.56 705,1665 705,2280 760,2335 1260,2335 1310,2385 1310,2910 1410,3010 1410,3065 J6.17@1360,3115
FSMC_D13: J3.52 J6.20 U2.36 U4.77 | length 4721.8
  TopLayer w8: v1(1390,1065) 1410,1045 1414.18,1045 U4.77@1451.48,1007.69 1809.18,650 2330,650 2540,440 2540,380 2620,300 2705,300 J3.52@2755,350
  BottomLayer w8: v1(1390,1065) 1385.57,1065 1318.37,1132.2 1318.37,1401.63 1136.95,1583.05 U2.36@1102.91,1583.05 826.95,1583.05 735,1675 735,2260 795,2320 1270,2320 1325,2375 1325,2880 J6.20@1460,3015